# Altium PCB Cell_121.PcbDoc (part 2 of 3)
Units mm, origin at the board's own origin, x right, y up, seen from the top; angles counter-clockwise.
Board outline 240 x 140.7 mm, 2 copper layers (Top Layer, Bottom Layer); 104 components, 188 nets, 1002 pads, 411 vias.
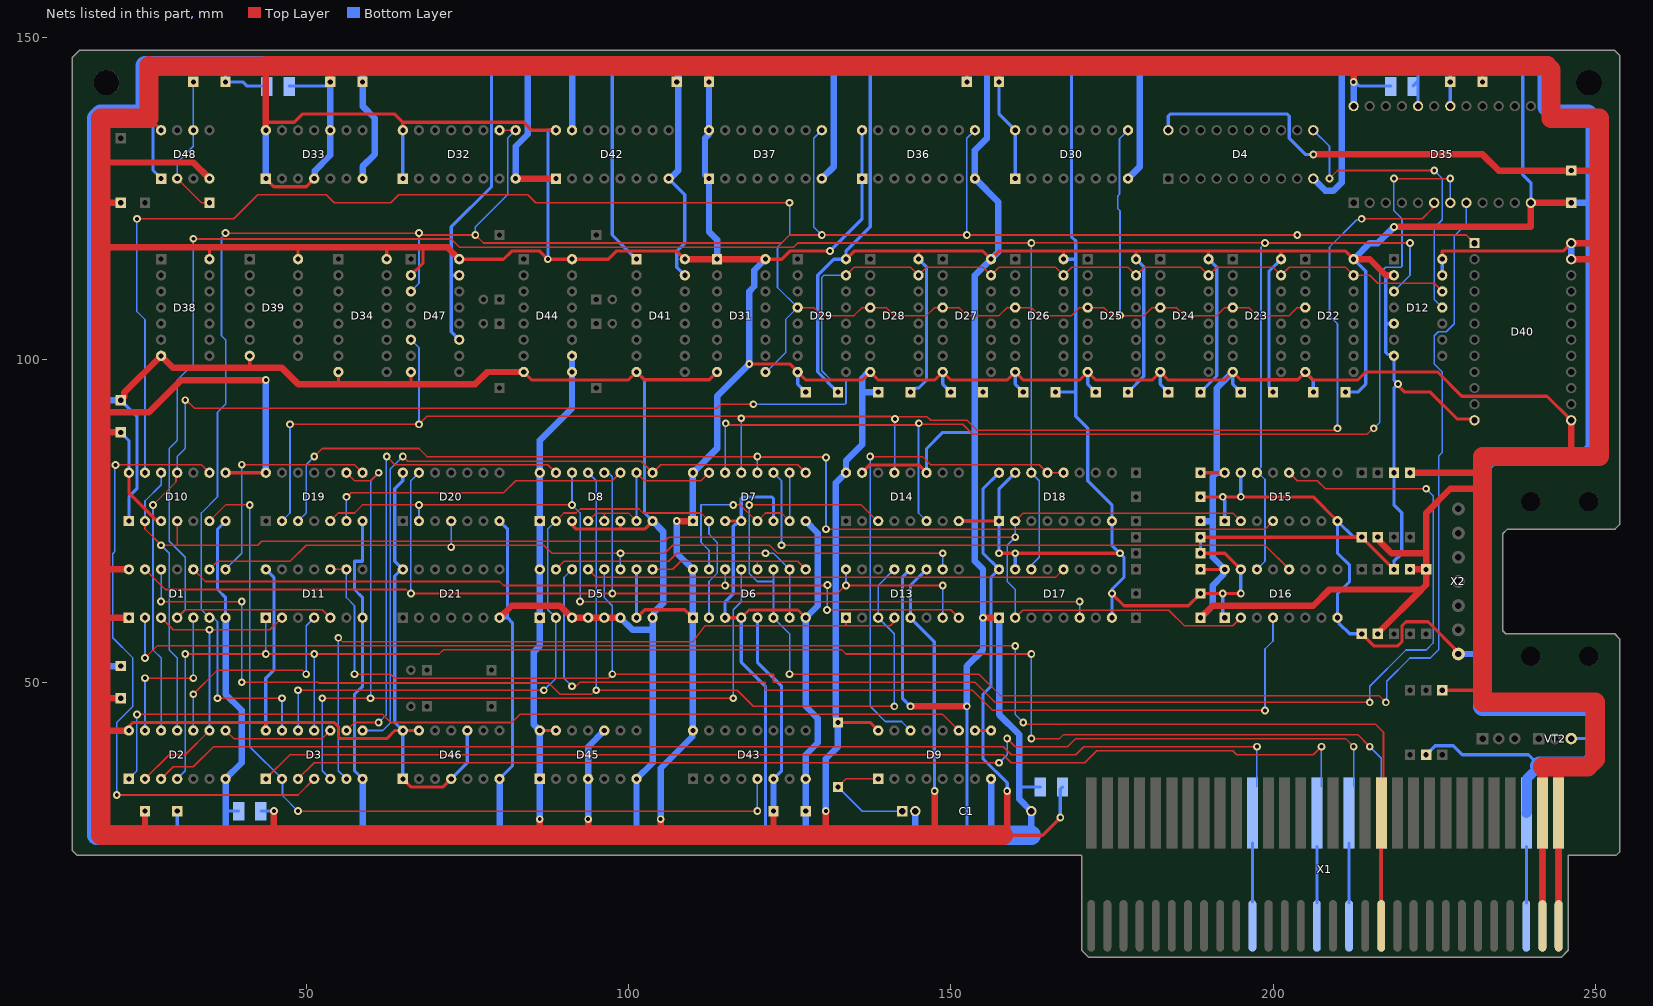
[diagram p2: the nets of this part, all layers, seen from the top]

## Via types
v1: diameter 1.2, hole 0.6, Top Layer to Bottom Layer, 411 vias

## Nets (pads, with @x,y where several pads share a name; then routed paths per layer and width w, separated by ;. In a path a pad name is that pad's centre, name@x,y a point inside that pad or via, vN(x,y) a via of type N, cw(c..) or ccw(c..) an arc to the next point about the centre after c; other vN are vias at no path point) (continued)
E1: C3.1 C4.2 C5.2 C6.2 C7.1 C8.2 C9.1 C10.2 C11.2 C12.2 C13.2 C14.2 C15.2 C16.2 C17.2 C18.2 C19.2 C20.1 C21.1 C22.1 C23.1 D1.1 D1.14 D2.14 D3.14 D4.20 D5.1 D5.7 D5.10 D5.16 D6.1 D6.5 D6.16 D7.1 D7.16 D8.1 D8.16 D9.9 D9.10 D9.16 D10.3 D10.8 D10.14 D11.14 D12.13 D12.14 D13.5 D13.11 D14.16 D15.16 D16.16 D17.16 D18.16 D19.14 D20.14 D21.14 D22.8 D23.8 D24.8 D25.8 D26.8 D27.8 D28.8 D29.8 D30.1 D30.16 D31.1 D31.16 D32.1 D32.16 D33.1 D33.4 D33.10 D33.14 D34.16 D35.24 D36.1 D36.16 D37.1 D37.16 D38.14 D39.14 D40.13 D40.23 D40.24 D41.16 D42.16 D43.6 D43.16 D44.9 D44.10 D44.16 D45.1 D45.4 D45.10 D45.13 D45.14 D46.1 D46.4 D46.10 D46.13 D46.14 D47.2 D47.16 D48.4 D48.8 R1.2 R2.2 R3.1 R4.2 R5.1 R6.2 R7.2 R8.2 R9.2 R22.2 R27.2 R29.2 X1.B29 X1.B30 | length 2145.6
  Top Layer w0.254: 232.498,145.031 232.5,145.029
  Top Layer w0.5: 18.125,66.875 18.75,67.5 ; D2.14@22.5,42.5 22.5,43.125 23.125,43.75 43.75,43.75 ; D10.14@22.5,82.5 22.5,79.375 26.665,75.21 27.29,75.21 D10.3@27.5,75 ; 25.625,137.5 D48.8@27.5,135.625 ; D38.14@35,115.625 35,117.5 ; D10.8@37.5,82.5 D19.14@43.75,82.5 ; D3.14@43.75,42.5 43.75,43.75 ; D33.1@43.75,128.125 45,126.875 50,126.875 D33.4@51.25,128.125 ; 43.75,136.875 48.125,136.875 49.375,138.125 63.75,138.125 65,136.875 ; 43.75,145.573 43.75,145.625 ; D39.14@48.75,115.624 48.75,117.5 ; 53.75,145.375 54,145.625 ; D34.16@62.5,115.625 62.5,117.5 ; D46.1@65,35 65.55,34.45 66.25,33.75 71.25,33.75 D46.4@72.5,35 ; D32.16@65,135.625 65,136.875 ; D47.2@66.25,113.125 68.125,115 68.125,117.5 ; D46.13@67.5,42.5 D46.14@65,42.5 63.75,42.5 62.5,41.25 55.293,41.25 55,41.543 55,43.125 54.375,43.75 43.75,43.75 ; 72.5,116.861 72.5,116.875 ; D47.16@73.743,115.617 80.618,115.617 81.875,116.875 86.25,116.875 v1(87.5,115.625) D44.16@91.25,115.625 ; D45.14@86.25,42.5 D45.13@88.75,42.5 ; D42.16@88.75,135.625 85,135.625 83.75,136.875 65,136.875 ; D44.16@91.244,115.617 96.867,115.617 98.125,116.875 107.486,116.875 D41.16@108.744,115.617 ; D5.7@101.25,60 102.5,61.25 108.75,61.25 D6.1@110,60 ; 112.5,145.427 112.5,145.625 ; v1(118.75,99.375) 125,99.375 D29.8@126.25,98.125 127.5,96.875 136.25,96.875 D28.8@137.5,98.125 138.75,96.875 147.5,96.875 D27.8@148.75,98.125 150,96.875 158.75,96.875 D26.8@159.687,97.812 ; D31.16@121.25,115.625 123.75,115.625 125,116.875 v1(131.25,116.875) ; R1.2@132.5,43.75 137.5,43.75 D9.16@138.75,42.5 ; D9.10@153.75,42.5 D9.9@156.25,42.5 ; C5.2@157.5,143.125 157.5,145.496 157.5,145.625 ; 158.75,26.875 158.125,26.25 164.25,26.25 v1(167,29) ; D26.8@160.003,98.128 161.256,96.875 170,96.875 171.25,98.125 172.5,96.875 181.25,96.875 D24.8@182.503,98.128 183.756,96.875 192.5,96.875 D23.8@193.75,98.125 194.95,96.925 203.801,96.925 D22.8@205,98.124 206.249,96.875 213.125,96.875 214.375,98.125 225.548,98.125 229.298,94.375 230,94.375 242.5,94.375 D40.13@246.25,90.625 ; R7.2@188.75,67.5 D16.16@192.5,67.5 ; R9.2@188.75,82.5 D15.16@192.5,82.5 ; 223.026,64.375 223.075,64.425 ; R22.2@226.25,48.75 232.5,48.75 ; D12.14@226.25,115.625 226.25,116.875 245,116.875 D40.24@246.25,118.125 ; C6.2@232.5,143.125 232.5,145.029
  Top Layer w1: 18.125,42.5 D2.14@22.5,42.5 ; 18.125,47.5 C9.1@21.25,47.5 ; 18.125,60 D1.1@22.5,60 ; 18.125,88.75 C7.1@21.25,88.75 ; 18.125,91.875 25.625,91.875 30.625,96.875 v1(43.75,96.875) ; 18.125,117.5 35,117.5 48.75,117.5 62.5,117.5 68.125,117.5 71.875,117.5 72.5,116.875 ; 18.125,124.375 R27.2@21.25,124.375 ; 18.125,130.625 32.5,130.625 D48.4@35,128.125 ; 18.75,67.5 D1.14@22.5,67.5 ; 25,26.25 C10.2@25,30 ; D33.14@43.75,135.625 43.75,136.875 43.75,145.573 ; 45,26.25 v1(45,30) ; C3.1@53.75,143.125 53.75,145.375 ; 72.5,116.861 D47.16@73.743,115.617 ; 86.25,26.25 v1(86.25,28.75) ; 93.75,26.25 v1(93.75,28.75) ; 105,26.25 v1(105,28.75) ; v1(107.5,75) D7.1@110,75 ; D41.16@108.744,115.617 D31.1@113.744,115.617 ; C4.2@112.5,143.125 112.5,145.427 ; D31.1@113.75,115.625 D31.16@121.25,115.625 ; 122.5,26.25 C11.2@122.5,30 ; 130.625,26.25 v1(130.625,30) ; 147.5,26.875 v1(147.5,33.125) ; 158.75,26.875 v1(158.75,33.125) ; R6.2@188.75,60 190.625,61.875 206.25,61.875 208.75,64.375 223.026,64.375 216.55,57.899 216.55,57.8 216.349,57.599 R5.1@216.25,57.599 ; v1(206.25,131.875) 232.5,131.875 235,129.375 250.625,129.375 ; v1(212.5,143.125) 212.5,145.625 ; R3.1@216.25,72.5 216.55,72.2 216.55,71.832 218.382,70 223.75,70 ; R4.2@221.25,67.5 R29.2@223.75,67.5 ; R2.2@221.25,82.5 232.5,82.5 ; 223.075,64.425 223.75,65.099 R29.2@223.75,67.5 ; 232.5,80 227.5,80 223.75,76.25 223.75,70 ; X1.B30@244.3,29.7 X1.B30@244.375,29.775 ; 246.25,85 D40.13@246.25,90.625 ; D40.23@246.25,115.625 250.625,115.625 ; D40.24@246.25,118.125 250.625,118.125 ; R29.2@223.75,67.5 223.75,70
  Top Layer w1.5: X1.B29@241.8,29.7 241.8,36.875 ; X1.B30@244.298,29.702 244.298,36.875
  Top Layer w2: 112.302,145.625 112.5,145.427 ; 157.371,145.625 157.5,145.496 ; 242.5,145.625 243.125,145 ; 250.625,115.625 250.625,116.25
  Top Layer w3: 43.75,145.573 25.625,145.625 25.625,137.5 18.125,137.5 18.125,130.625 18.125,124.375 18.125,117.5 18.125,91.875 18.125,88.75 18.125,66.875 18.125,60 18.125,47.5 18.125,42.5 18.125,26.25 25,26.25 45,26.25 86.25,26.25 93.75,26.25 105,26.25 122.5,26.25 130.625,26.25 158.125,26.25 ; 43.75,145.625 54,145.625 112.302,145.625 ; 112.5,145.625 157.371,145.625 ; 157.5,145.625 212.5,145.625 242.5,145.625 ; 241.8,36.875 244.298,36.875 248.828,36.875 250,38.047 250,46.875 232.5,46.875 232.5,48.75 232.5,80 232.5,82.5 232.5,85 246.25,85 250.625,85 250.625,115.625 250.625,118.125 250.625,129.375 250.625,137.5 243.125,137.5 243.125,145
  Bottom Layer w0.5: C7.1@21.25,88.75 22.5,87.5 D10.14@22.5,82.5 ; C22.1@42.975,30 v1(45,30) ; D3.14@43.75,42.5 43.75,50.625 45,51.875 45,66.25 D11.14@43.75,67.5 ; C21.1@47.35,142.5 53.125,142.5 C3.1@53.75,143.125 ; D46.1@65,35 D46.14@65,42.5 63.75,43.75 63.75,66.468 64.782,67.5 D21.14@65,67.5 63.75,68.75 63.75,80 65,81.25 D20.14@65,82.5 ; D32.1@65,128.125 D32.16@65,135.625 ; D46.4@72.5,35 75,37.5 D46.10@75,42.5 ; v1(87.5,115.625) 87.5,135.625 D42.16@88.75,135.625 ; D5.7@101.25,60 D5.10@101.25,67.5 ; D37.1@111.875,128.75 D37.1@112.5,128.125 ; D37.16@112.5,135 D37.16@112.5,135.625 ; D6.5@120,60 120,53.125 123.75,49.375 123.75,36.25 D43.6@122.5,35 ; D29.8@126.25,98.125 126.25,96.25 C12.2@127.5,95 ; v1(131.25,116.875) 136.25,121.875 D36.16@136.25,135.625 ; D28.8@137.202,98.125 D28.8@137.5,98.125 ; D13.11@146.25,67.5 143.75,65 D13.5@143.75,60 147.45,56.3 147.45,42.997 v1(147.5,33.125) ; D27.8@148.75,98.125 148.75,96.25 C14.2@150,95 ; D9.9@156.25,42.5 155,42.5 ; D18.16@157.5,82.5 155,80 155,70 D17.16@157.5,67.5 156.25,66.25 156.25,49.375 155,48.125 155,42.5 ; C5.2@157.5,143.125 157.5,138.125 D30.16@160,135.625 D30.1@160,128.125 ; v1(158.75,33.125) 158.75,34.375 155,38.125 155,42.5 ; D26.8@160.003,98.128 160.003,96.247 C15.2@161.25,95 ; v1(167,29) 167,33.4 C23.1@167.35,33.75 ; D25.8@171.247,98.121 171.247,96.253 C16.2@172.5,95 ; D24.8@182.503,98.128 182.503,96.247 C17.2@183.75,95 ; D4.20@183.75,135.625 183.75,137.832 184.043,138.125 202.207,138.125 202.5,137.832 202.5,134.375 205,131.875 v1(206.25,131.875) ; D16.16@192.29,67.29 D16.16@192.5,67.5 ; D23.8@193.75,98.125 193.75,96.25 C18.2@195,95 ; D22.8@205,98.124 206.25,96.874 C19.2@206.25,95 ; v1(212.5,143.125) 212.689,143.125 213.314,142.5 C20.1@218.275,142.5 ; D12.13@226.243,113.117 D12.14@226.243,115.617
  Bottom Layer w1: D19.14@43.75,82.5 v1(43.75,96.875) ; D33.1@43.75,128.125 D33.14@43.75,135.625 ; D33.4@51.25,128.125 51.314,128.189 51.314,129.314 53.75,131.75 D33.10@53.75,135.625 C3.1@53.75,143.125 ; v1(86.25,28.75) D45.1@86.25,35 D45.14@86.25,42.5 85.313,43.437 85.313,54.688 86.25,55.625 D5.1@86.25,60 D5.16@86.25,67.5 D8.1@86.25,75 D8.16@86.25,82.5 86.25,87.5 91.244,92.493 D44.10@91.244,100.625 ; v1(93.75,28.75) D45.4@93.75,35 93.75,40 D45.10@96.25,42.5 ; v1(105,28.75) 105,36.662 109.885,41.547 109.885,42.385 D43.16@110,42.5 D6.16@110,67.5 107.5,70 v1(107.5,75) ; D7.1@110,75 D7.16@110,82.5 113.75,86.25 113.75,94.375 v1(118.75,99.375) 118.75,110.625 119.532,111.407 119.532,113.906 D31.16@121.244,115.617 ; D37.1@111.875,128.75 111.875,134.375 D37.16@112.5,135 ; D37.1@112.5,128.125 112.5,119.887 113.75,118.637 D31.1@113.75,115.625 ; D37.16@112.5,135.625 C4.2@112.5,143.125 ; C11.2@122.5,30 D43.6@122.5,35 ; v1(130.625,30) 130.625,38.125 132.5,40 R1.2@132.5,43.75 132.2,44.05 132.2,44.623 132.187,44.636 132.187,80.937 D14.16@133.75,82.5 133.75,84.375 136.25,86.875 136.25,95 ; D28.8@137.202,98.125 136.25,97.173 136.25,95 ; C13.2@138.75,95 136.25,95 ; R6.2@188.75,60 190.625,61.875 190.625,65 192.29,66.665 D16.16@192.29,67.29 ; R8.2@188.75,75 190.625,75 ; D16.16@192.5,67.5 190.625,69.375 190.625,75 ; D15.16@192.5,82.5 191.25,82.5 ; D23.8@193.75,98.125 191.25,95.625 191.25,82.5 ; D35.24@212.5,139.375 v1(212.5,143.125) ; D40.23@246.244,115.617 D40.24@246.244,118.117 ; 190.625,75 190.625,81.875 191.25,82.5
GND: C1.2 C2.2 C3.2 C4.1 C5.1 C6.1 C7.2 C8.1 C9.2 C10.1 C11.1 C12.1 C13.1 C14.1 C15.1 C16.1 C17.1 C18.1 C19.1 C20.2 C21.2 C22.2 C23.2 D1.7 D2.7 D3.7 D4.10 D5.3 D5.4 D5.5 D5.6 D5.8 D6.3 D6.4 D6.8 D7.3 D7.4 D7.6 D7.8 D8.3 D8.6 D8.8 D9.8 D10.1 D10.7 D11.7 D12.2 D12.5 D12.7 D13.12 D14.8 D14.11 D14.15 D15.1 D15.8 D15.15 D16.1 D16.8 D16.15 D17.1 D17.8 D17.15 D18.1 D18.8 D18.15 D19.7 D20.7 D21.7 D22.16 D23.16 D24.16 D25.16 D26.16 D27.16 D28.16 D29.16 D30.8 D31.8 D32.8 D33.7 D34.8 D35.12 D35.18 D35.20 D36.8 D37.8 D38.7 D39.7 D40.12 D41.1 D41.8 D41.15 D42.1 D42.8 D42.15 D43.8 D44.8 D45.7 D46.7 D47.8 D47.11 D47.15 D48.1 R10.2 R11.1 R12.2 R13.1 R14.2 R15.2 R16.2 R17.2 R23.1 VT2.E X1.A28 X1.A29 X1.A30 X2.2 | length 2413.5
  Top Layer w0.5: C7.2@21.25,93.75 C7.2@21.8,94.3 ; D39.7@41.244,100.617 41.244,98.756 41.25,98.75 ; 55,96.25 D34.8@55,98.125 ; 66.25,96.25 D47.8@66.25,98.125 ; D44.8@83.75,98.125 85,96.875 100,96.875 D41.8@101.25,98.125 102.45,96.925 112.55,96.925 D31.8@113.75,98.125 ; D8.3@91.25,75 91.25,74.375 91.875,73.75 98.75,73.75 ; D8.6@98.75,75 98.75,73.75 ; D8.8@103.75,75 102.5,73.75 98.75,73.75 ; D6.3@115,60 D6.4@117.5,60 118.7,61.2 126.3,61.2 D6.8@127.5,60 ; D7.3@115,75 D7.4@117.5,75 ; D29.16@133.744,115.617 135.001,116.875 145,116.875 ; D14.15@136.25,82.5 137.45,83.7 145.05,83.7 D14.11@146.25,82.5 ; D28.16@145,115.624 145,116.875 ; D14.8@151.25,75 D18.1@157.5,75 ; D27.16@156.244,115.617 D27.16@156.25,115.624 ; v1(157.5,70) v1(160,70) v1(176.25,70) ; D26.16@167.5,115.624 167.5,116.875 ; v1(175,63.75) 176.875,61.875 186.875,61.875 R14.2@188.75,63.75 v1(192.2,63.75) ; R15.2@188.75,70 192.5,70 D16.15@195,67.5 ; R16.2@188.75,72.5 R11.1@213.75,72.5 R12.2@218.75,67.5 ; R17.2@188.75,78.75 v1(192.2,78.75) v1(195,78.75) 206.25,78.75 D15.8@210,75 ; v1@192.35,63.9 192.5,63.75 v1(195,63.75) ; D23.16@201.25,115.624 201.244,115.617 201.244,116.868 201.25,116.875 ; D22.16@212.5,115.624 211.249,116.875 201.25,116.875 ; R13.1@213.75,57.5 215.625,55.625 219.375,55.625 220,56.25 220,58.75 220.625,59.375 224.041,59.375 228.75,54.666 X2.2@228.75,54.375 ; D12.2@218.736,113.125 D12.2@218.744,113.117 ; v1(219.375,96.25) 219.375,96.061 220.436,95 224.375,95 228.54,90.835 231.04,90.835 D40.12@231.25,90.625 ; 145,116.875 155,116.875 D27.16@156.25,115.625 ; D27.16@156.25,115.625 157.5,116.875 167.5,116.875 ; 167.5,116.875 178.75,116.875 ; 178.75,116.875 190,116.875 ; 178.75,116.875 178.75,115.624 D25.16@178.747,115.621 178.744,115.617 178.744,116.868 178.75,116.875 ; 190,116.875 190,115.624 189.994,115.617 189.994,116.868 190,116.875 ; 190,116.875 201.25,116.875
  Top Layer w1: C7.2@21.8,94.3 21.8,94.925 D38.7@27.5,100.625 ; D38.7@27.5,100.611 29.361,98.75 41.25,98.75 46.25,98.75 48.75,96.25 55,96.25 66.25,96.25 76.25,96.25 78.125,98.125 D44.8@83.75,98.125 ; D21.7@80,60 81.875,61.875 89.375,61.875 D5.3@91.25,60 D5.6@98.75,60 ; D32.8@82.5,128.125 D42.1@88.75,128.125 ; v1(143.75,46.25) v1(152.5,46.25) ; v1(155,60) D17.1@157.5,60 ; D22.16@212.5,115.624 215.001,115.624 217.5,113.125 D12.2@218.736,113.125 ; v1(218.75,120.625) 240,120.625 D35.12@240,124.375 C8.1@246.25,124.375
  Bottom Layer w0.25: 144.375,26.25 144.5,26.375
  Bottom Layer w0.5: 17.5,52.5 18.125,52.5 ; C7.2@21.25,93.75 21.8,93.2 23.75,91.25 23.75,80 22.5,78.75 D10.1@22.5,75 ; 25,138.125 26.25,136.875 26.25,129.375 D48.1@27.5,128.125 ; 30,26.25 C10.1@30,30 ; 37.5,30 C22.2@39.525,30 ; D1.7@37.5,60 37.5,63.125 36.25,64.375 36.25,73.75 D10.7@37.5,75 ; 37.5,145.625 C2.2@37.5,143.125 40.15,143.125 40.775,142.5 C21.2@43.9,142.5 ; D3.7@58.75,35 57.5,36.25 57.5,48.125 58.75,49.375 58.75,63.125 57.5,64.375 57.5,68.75 58.75,68.75 D19.7@58.75,75 ; D47.11@73.743,103.117 72.5,104.361 72.5,113.125 ; D47.15@73.75,113.125 72.5,113.125 ; 78.75,145.625 78.75,126.875 72.5,120.625 72.5,113.125 ; D46.7@80,35 81.999,36.999 81.999,59.251 81.25,60 ; D21.7@80,60 81.25,60 ; D20.7@80,75 81.25,73.75 81.25,60 ; 97.5,145.625 97.5,119.374 99.368,117.506 99.368,117.493 100.686,116.175 100.7,116.175 101.236,115.639 D41.1@101.236,115.625 ; D41.8@101.25,98.125 102.5,96.875 102.5,76.25 D8.8@103.75,75 ; D5.8@103.75,60 D5.8@103.96,60.21 ; D42.8@106.25,128.125 108.75,125.625 108.75,118.125 107.5,116.875 107.5,114.361 D41.15@108.744,113.117 ; D6.3@115,60 115,62.5 116.25,63.75 116.25,74.179 116.543,74.472 116.675,74.472 117.202,75 D7.4@117.5,75 117.5,78.457 117.793,78.75 122.207,78.75 122.5,78.457 D7.6@122.5,75 ; D6.4@117.5,60 117.5,53.125 121.25,49.375 121.25,26.25 ; C12.1@132.5,95 129.375,98.125 129.375,113.125 131.875,115.625 D29.16@133.744,115.625 ; D29.16@133.75,115.625 D29.16@133.744,115.625 ; 137.5,145.625 137.5,120.625 133.744,116.868 D29.16@133.744,115.625 ; v1(143.75,46.25) 142.5,47.5 142.5,66.25 D13.12@143.75,67.5 ; C13.1@143.75,95 144.3,95.55 144.518,95.55 144.593,95.625 145,95.625 146.25,96.875 146.25,114.375 D28.16@145,115.625 ; D14.11@146.25,82.5 146.25,86.25 148.75,88.75 153.75,88.75 ; D14.8@151.25,75 153.75,75 ; 152.5,26.25 v1(152.5,46.25) ; C5.1@152.5,143.125 152.5,145.625 ; 153.75,95 C14.1@155,95 ; v1(157.5,70) 157.5,80 D18.15@160,82.5 ; D17.15@160,67.5 v1(160,70) ; 160.625,33.75 C23.2@163.9,33.75 ; C15.1@166.25,95 169.375,95 ; D26.16@167.501,115.625 167.494,115.617 169.368,115.617 169.375,115.625 169.375,118.457 169.082,118.75 169.043,118.75 168.75,119.043 168.75,145.625 ; 169.375,115.617 169.375,95 ; D17.8@175,60 v1(175,63.75) 175,64.375 176.875,66.25 176.875,69.375 175,71.25 D18.8@175,75 175.017,75.017 175.017,76.892 175,76.909 175,77.5 171.25,81.25 171.25,89.375 169.375,91.25 169.375,95 ; C16.1@177.5,95 179.947,97.447 179.947,114.421 D25.16@178.747,115.621 ; R15.2@188.75,70 R16.2@188.75,72.5 ; C17.1@188.75,95 191.25,97.5 191.25,114.381 D24.16@190.003,115.628 ; D16.1@192.2,60.55 v1(192.2,63.75) ; v1(192.2,78.75) 192.2,78.561 192.5,78.261 D15.1@192.5,75 ; v1(195,63.75) D16.15@195,67.5 ; v1(195,78.75) D15.15@195,82.5 ; C18.1@200,95 199.45,95.55 199.45,95.768 199.375,95.843 199.375,113.75 D23.16@201.25,115.625 ; C19.1@211.25,95 213.125,95 214.375,96.25 214.375,113.749 D22.16@212.5,115.624 ; R13.1@213.75,57.5 211.875,57.5 210.21,59.165 210.21,59.79 D16.8@210,60 210,63.75 211.875,65.625 211.875,68.125 210,70 D15.8@210,75 212.5,72.5 R11.1@213.75,72.5 ; D12.7@218.743,100.618 218.526,100.835 217.817,100.835 217.5,101.153 217.5,105.617 ; D12.5@218.744,105.617 217.5,105.617 ; D12.2@218.744,113.117 218.541,112.915 217.817,112.915 217.5,112.597 217.5,105.617 ; R12.2@218.75,67.5 218.757,67.507 218.757,68.757 219.95,69.95 219.95,76.3 218.75,77.5 218.75,95.607 219.375,96.232 v1(219.375,96.25) 219.375,96.268 218.75,96.893 D12.7@218.75,100.625 ; C20.2@221.725,142.5 222.35,143.125 C20.2@222.5,143.125 ; D35.20@222.5,139.375 C20.2@222.5,143.125 ; 222.5,145.625 C20.2@222.5,143.125 ; R23.1@223.75,38.75 225.151,40.151 227.974,40.151 229.375,38.75 239.625,38.75 241.375,37 ; D35.18@227.5,139.375 C6.1@227.5,143.125 227.5,145.625 ; 238.75,145.625 238.75,128.75 239.375,128.125 240,127.5 D35.12@240,124.375 ; VT2.E@246.25,41.25 250,41.25
  Bottom Layer w1: 17.5,93.75 C7.2@21.25,93.75 ; 18.125,52.5 C9.2@21.25,52.5 ; 37.5,26.25 37.5,30 D2.7@37.5,35 40,37.5 40,45.625 37.5,48.125 D1.7@37.5,60 ; 58.75,26.25 D3.7@58.75,35 ; D33.7@58.75,128.125 58.75,130 60.625,131.875 60.625,137.5 58.75,139.375 58.75,145.625 ; 80,26.25 D46.7@80,35 ; D32.8@82.5,128.125 82.5,133.125 84.375,135 84.375,145 ; D42.15@91.25,135.625 91.25,145.625 ; D5.6@98.75,60 100.625,58.125 103.75,58.125 ; 101.25,26.25 D45.7@101.25,35 103.75,37.5 103.75,58.125 ; D5.8@103.75,60 103.75,58.125 ; D8.8@103.75,75 105.371,73.379 105.371,62.246 103.96,60.835 D5.8@103.96,60.21 ; D42.8@106.25,128.125 106.412,128.125 106.712,128.425 106.77,128.425 107.758,129.413 107.758,142.867 C4.1@107.5,143.125 107.758,143.383 107.758,145.625 ; 127.5,26.25 D43.8@127.5,35 127.5,38.75 129.375,40.625 129.375,44.375 127.5,46.25 D6.8@127.5,60 129.375,61.875 129.375,73.125 D7.8@127.5,75 ; D37.8@130,128.125 131.875,130 131.875,145.625 ; 144.5,26.375 C1.2@144.5,30 ; v1(152.5,46.25) 152.5,52.5 155,55 v1(155,60) 155,67.5 153.75,68.75 153.75,75 153.75,88.75 153.75,95 153.75,113.125 D27.16@156.25,115.625 157.398,116.773 157.398,124.477 D36.8@153.75,128.125 153.75,132.5 155.625,134.375 155.625,145.625 ; 156.25,26.25 D9.8@156.25,35 ; D17.1@157.5,60 157.5,45 160.625,41.875 160.625,33.75 160.625,31.875 C1.2@162.5,30 162.5,26.25 ; D30.8@177.5,128.125 179.296,129.921 179.296,145.625 ; D4.10@206.25,128.125 208.125,126.25 209.375,126.25 210.625,127.5 210.625,145.625 ; D22.16@212.5,115.624 215.001,118.125 216.25,118.125 v1(218.75,120.625) ; X2.2@228.75,54.375 232.5,54.375 ; C8.1@246.25,124.375 250,124.375
  Bottom Layer w1.5: X1.A28@239.291,29.709 239.4,29.818 239.4,35.025 241.375,37 ; X1.A29@241.842,29.742 241.842,37 ; X1.A30@244.293,33.724 244.293,37
  Bottom Layer w3: 162.5,26.25 156.25,26.25 152.5,26.25 144.375,26.25 127.5,26.25 121.25,26.25 101.25,26.25 80,26.25 58.75,26.25 37.5,26.25 30,26.25 17.5,26.25 17.5,52.5 17.5,93.75 17.5,137.5 18.125,138.125 25,138.125 25,145.625 37.5,145.625 58.75,145.625 78.75,145.625 91.25,145.625 97.5,145.625 107.758,145.625 131.875,145.625 137.5,145.625 152.5,145.625 155.625,145.625 168.75,145.625 179.296,145.625 210.625,145.625 222.5,145.625 227.5,145.625 238.75,145.625 242.5,145.625 242.5,139.297 243.672,138.125 248.828,138.125 250,136.953 250,124.375 250,86.172 248.828,85 233.672,85 232.5,83.828 232.5,54.375 232.5,46.25 250,46.25 250,41.25 250,38.172 248.828,37 244.293,37 241.842,37 241.375,37
NetC1_1: C1.1 D9.1 R1.1 | length 18.3
  Top Layer w0.25: R1.1@132.5,33.75 133.75,35 D9.1@138.75,35
  Bottom Layer w0.25: R1.1@132.5,33.75 133.175,33.075 136.25,30 C1.1@142.5,30
NetC2_1: C2.1 D48.2 D48.6 R28.2 | length 22.6
  Top Layer w0.25: D48.2@30,128.125 33.75,124.375 R28.2@35,124.375
  Bottom Layer w0.25: D48.2@30,128.125 30,130.625 32.5,133.125 D48.6@32.5,135.625 C2.1@32.5,143.125
NetD1_2: D1.2 X1.B19 | length 223.5
  Top Layer w0.25: v1(25,53.75) 26.875,55.625 56.25,55.625 v1(160,55.625) ; v1(161.25,43.75) 161.507,43.75 161.773,43.484 215.891,43.484 217.133,42.242 217.133,30.033 X1.B19@216.8,29.7
  Bottom Layer w0.25: v1(25,53.75) D1.2@25,60 ; v1@160,55.479 160,45 v1(161.25,43.75)
NetD1_3: D1.3 D2.2 D2.9 D11.2 | length 49
  Top Layer w0.25: D2.2@25,35 28.75,38.75 31.25,38.75 D2.9@35,42.5 ; D1.3@27.5,60 29.375,58.125 v1(35,58.125) 44.375,58.125 D11.2@46.25,60
  Bottom Layer w0.25: D2.9@35,42.5 v1(35,58.125)
NetD1_4: D1.4 D11.5 D12.3 D15.14 D16.14 D17.14 D18.14 | length 388.7
  Top Layer w0.25: D1.4@30,60 31.25,61.25 52.5,61.25 D11.5@53.75,60 ; v1(32.5,118.8) 32.55,118.75 72.5,118.75 73.75,117.5 125.625,117.5 126.25,118.125 v1(162.5,118.125) 162.536,118.161 198.714,118.161 v1(198.75,118.125) v1(221.25,118.125)
  Bottom Layer w0.25: D1.4@30,60 31.25,61.25 31.25,69.375 28.75,71.875 28.75,86.25 30,87.5 30,96.875 32.5,99.375 v1(32.5,118.8) ; D17.14@162.5,67.5 162.5,68.125 163.75,69.375 163.75,81.25 D18.14@162.5,82.5 v1(162.5,118.125) ; D16.14@197.5,67.5 198.75,68.75 198.75,81.446 197.5,82.696 198.125,83.321 198.125,117.5 v1(198.75,118.125) ; D12.3@218.744,110.617 221.25,113.124 v1(221.25,118.125)
NetD1_5: D1.5 D2.13 | length 25
  Top Layer w0.25: v1(25,50.625) v1(32.5,50.625)
  Bottom Layer w0.25: D2.13@25,42.5 v1(25,50.625) ; v1(32.5,50.625) D1.5@32.5,60
NetD1_6: D1.6 D3.13 D32.9 D32.10 D36.9 D37.9 D40.1 D47.3 | length 352.2
  Top Layer w0.25: v1(36.25,47.5) v1(46.25,47.5) ; v1(37.5,119.675) 67.2,119.675 v1@67.5,119.375 ; v1(67.5,119.675) v1@67.5,119.375 ; D32.10@80,135.625 D32.9@82.5,135.625 ; D40.1@231.243,118.118 229.986,119.375 v1(203.75,119.375) 193.75,119.375 v1(152.5,119.375) v1(130,119.375) 125,119.375 123.75,118.125 77.5,118.125 v1(76.25,119.375) v1@67.5,119.375
  Bottom Layer w0.25: v1(36.25,47.5) 36.25,59.375 35,60.625 D1.6@35,60 33.75,61.25 33.75,76.25 36.25,78.75 36.25,91.875 37.5,93.125 37.5,103.125 36.875,103.75 36.875,118.921 37.5,119.546 v1(37.5,119.675) ; D3.13@46.25,42.5 v1(46.25,47.5) ; D47.3@66.244,110.617 67.5,111.874 v1(67.5,119.675) ; v1(76.25,119.375) 76.25,120.625 81.25,125.625 81.25,134.375 D32.9@82.5,135.625 ; v1(130,119.375) 128.75,120.625 128.75,134.375 D37.9@130,135.625 ; v1(152.5,119.375) 152.5,134.375 D36.9@153.75,135.625
NetD1_8: D1.8 D19.8 | length 36.6
  Top Layer w0.25: v1(40,83.75) 57.5,83.75 D19.8@58.75,82.5
  Bottom Layer w0.25: D1.8@37.5,67.5 40,70 v1(40,83.75)
NetD1_9: D1.9 D5.11 D13.10 D20.4 | length 126.2
  Top Layer w0.25: D1.9@35,67.5 36.25,68.75 47.5,68.75 50,71.25 v1@72.5,71.25 ; v1(72.5,70.95) v1@72.5,71.25 ; v1(148.75,70) 123.125,70 121.875,71.25 106.875,71.25 105.625,70 v1(98.75,70) 88.125,70 86.875,71.25 v1@72.5,71.25
  Bottom Layer w0.25: v1(72.5,70.95) D20.4@72.5,75 ; D5.11@98.75,67.5 v1(98.75,70) ; D13.10@148.75,67.5 v1(148.75,70)
NetD1_10: D1.10 D6.14 D13.8 | length 126.9
  Top Layer w0.25: D1.10@32.5,67.5 34.375,65.625 80,65.625 80.625,65 v1(115,65) 130.791,65 v1(130.876,65.084) ; v1(130.799,61.184) 130.866,61.25 150,61.25 D13.8@151.25,60
  Bottom Layer w0.25: v1(115,65) D6.14@115,67.5 ; v1(130.799,61.184) 130.837,61.222 130.837,65.046 v1(130.876,65.084)
NetD1_12: D1.12 D8.13 D13.3 D13.13 | length 190.9
  Top Layer w0.25: v1(27.5,62.5) v1(40,62.5) ; v1(40,50) 51.875,50 51.993,49.882 87.618,49.882 89.375,48.125 94.281,48.125 94.906,48.75 116.875,48.75 119.375,46.25 v1(141.25,46.25)
  Bottom Layer w0.25: v1(27.5,62.5) D1.12@27.5,67.5 ; v1(40,50) v1(40,62.5) ; D8.13@93.75,82.5 95,81.25 v1(95,48.75) ; v1(141.25,46.25) 141.25,57.5 D13.3@138.75,60 138.75,65 D13.13@141.25,67.5
NetD1_13: D1.13 D8.12 D13.7 D13.16 D20.13 | length 172.2
  Top Layer w0.25: D1.13@25,67.5 28.125,64.375 65.496,64.375 66.121,63.75 v1(66.25,63.75) v1(97.5,63.75) 132.371,63.75 133.621,65 v1(133.75,65) v1(148.75,65)
  Bottom Layer w0.25: v1(66.25,63.75) 66.25,81.25 D20.13@67.5,82.5 ; D8.12@96.25,82.5 96.508,82.242 97.133,82.242 97.5,81.875 v1(97.5,63.75) ; v1(133.75,65) D13.16@133.75,67.5 ; D13.7@148.75,60 v1(148.75,65)
NetD2_1: D2.1 D9.11 | length 140.1
  Top Layer w0.25: v1(23.75,45) 61.875,45 63.125,43.75 81.875,43.75 83.125,45 148.75,45 D9.11@151.25,42.5
  Bottom Layer w0.25: D2.1@22.5,35 23.75,36.25 v1(23.75,45)
NetD2_3: D2.3 X1.A11 | length 179.4
  Top Layer w0.25: D2.3@27.5,35 29.375,36.875 32.5,36.875 35.625,40 158.125,40 159.375,38.75 169.375,38.75 170.625,40 v1(197.5,40)
  Bottom Layer w0.25: X1.A11@197.5,33.75 v1(197.5,40)
NetD2_4: D2.4 D3.11 D11.1 X1.A19 | length 246.2
  Top Layer w0.25: v1(31.25,54.375) v1(43.75,54.375) v1(51.25,54.375) 70.625,54.375 71.258,55.008 133.117,55.008 133.75,54.375 v1(162.5,54.375) ; v1(162.5,41.25) 166.875,41.25 167.5,41.875 213.125,41.875 v1(215,40)
  Bottom Layer w0.25: D2.4@30,35 31.25,36.25 v1(31.25,54.375) ; v1(43.75,54.375) D11.1@43.75,60 ; D3.11@51.25,42.5 v1(51.25,54.375) ; v1(162.5,41.25) 162.5,53.75 ; v1(215,40) 216.8,38.2 X1.A19@216.8,29.7
NetD2_8: D2.8 D3.10 | length 17.3
  Top Layer w0.25: D2.8@37.5,42.5 38.75,41.25 52.5,41.25 D3.10@53.75,42.5
NetD2_10: D2.10 D11.4 | length 34.2
  Top Layer w0.25: v1(32.5,48.125) 36.25,51.875 49.375,51.875 v1(50,51.25)
  Bottom Layer w0.25: D2.10@32.5,42.5 v1(32.5,48.125) ; v1(50,51.25) 50,58.75 D11.4@51.25,60
NetD2_11: D2.11 D10.2 D10.4 D10.12 D15.2 D16.2 D17.2 D18.2 | length 268.9
  Top Layer w0.25: D10.2@25,75 25,73.75 v1(27.5,71.25) 30,71.25 ; D10.4@30,75 30,71.25 ; D17.2@160,60 161.179,61.179 183.821,61.179 186.25,58.75 193.75,58.75 D16.2@195,60 ; v1(160,72.5) 106.25,72.5 105.625,71.875 43.125,71.875 42.5,71.25 30,71.25 ; D18.2@160,75 161.179,76.179 193.821,76.179 D15.2@195,75
  Bottom Layer w0.25: D10.2@25,75 25,78.125 27.5,80.625 D10.12@27.5,82.5 ; v1(27.5,71.25) 28.75,70 28.75,55 30,53.75 D2.11@30,42.5 ; D17.2@160,60 160,64.375 158.75,65.625 158.75,71.25 v1(160,72.5) D18.2@160,75
NetD2_12: D2.12 D10.11 D12.12 D22.15 D23.15 D24.15 D25.15 D26.15 D27.15 D28.15 D29.15 | length 284.3
  Top Layer w0.25: v1(26.25,77.5) 29.818,81.068 29.818,82.318 D10.11@30,82.5 ; v1(31.25,93.75) 31.421,93.75 32.671,92.5 113.75,92.5 114.375,93.125 v1(119.375,93.125) ; D29.15@133.744,113.118 135,114.375 143.75,114.375 143.75,114.361 D28.15@144.994,113.117 ; D28.15@144.994,113.118 146.25,114.375 155,114.375 155,114.361 D27.15@156.244,113.117 ; D27.15@156.244,113.118 157.5,114.375 166.25,114.375 166.25,114.361 D26.15@167.494,113.117 ; D26.15@167.494,113.118 168.75,114.375 177.5,114.375 178.125,113.736 D25.15@178.744,113.117 ; D25.15@178.744,113.118 180,114.375 188.75,114.375 188.75,114.361 D24.15@189.994,113.117 ; D24.15@189.994,113.118 191.25,114.375 200,114.375 200.625,113.736 D23.15@201.244,113.117 ; D23.15@201.244,113.118 202.5,114.375 211.25,114.375 211.875,113.736 212.494,113.117 214.993,113.117 215,113.125 216.25,111.875 225,111.875 D12.12@226.25,110.625
  Bottom Layer w0.25: v1(26.25,77.5) 26.25,55 27.5,53.75 D2.12@27.5,42.5 ; D10.11@30,82.5 30,85 31.25,86.25 v1(31.25,93.75) ; v1(119.375,93.125) 133.604,93.125 133.75,93.271 133.75,96.729 133.604,96.875 131.438,96.875 130,98.313 130,112.79 130.335,113.125 133.736,113.125 D29.15@133.744,113.117
NetD3_1: D3.1 X1.A15 | length 173.6
  Top Layer w0.25: D3.1@43.75,35 47.5,38.75 158.125,38.75 159.375,37.5 170.625,37.5 170.771,37.5 172.646,39.375 193.75,39.375 194.375,38.75 206.25,38.75 v1(207.5,40)
  Bottom Layer w0.25: X1.A15@207.5,33.75 v1(207.5,40)
NetD3_2: D3.2 D10.6 D43.5 | length 134.1
  Top Layer w0.25: D10.6@35,75 37.5,77.5 v1(41.25,77.5) ; v1(48.75,30) v1(120,30)
  Bottom Layer w0.25: v1(41.25,77.5) 41.25,40 46.325,34.925 46.325,32.425 v1(48.75,30) ; v1(120,30) D43.5@120,35
NetD3_3: D3.3 X1.A17 | length 175.6
  Top Layer w0.25: D3.3@48.75,35 51.25,37.5 v1(157.5,37.5) ; v1(158.75,41.25) 160,40 168.125,40 169.375,41.25 211.25,41.25 v1(212.5,40)
  Bottom Layer w0.25: v1(157.5,37.5) 158.125,38.125 158.75,38.75 v1(158.75,41.25) ; X1.A17@212.5,33.75 v1(212.5,40)
NetD3_4: D3.4 D10.9 | length 100.5
  Top Layer w0.25: v1(20.425,83.68) 20.495,83.75 33.75,83.75 D10.9@35,82.5 ; v1(20.625,32.5) 48.75,32.5 D3.4@51.25,35
  Bottom Layer w0.25: v1(20.425,83.68) 20.325,83.58 20.325,70.261 20,69.936 20,56.875 23.125,53.75 23.125,46.25 20.625,43.75 v1(20.625,32.5)
NetD3_5: D3.5 D6.13 D19.9 | length 138.8
  Top Layer w0.25: v1(52.5,47.5) v1(60,47.5) v1(116.25,47.5) ; D19.9@56.25,82.5 57.5,81.25 60,81.25 v1(61.25,82.5)
  Bottom Layer w0.25: v1(52.5,47.5) 52.5,36.25 D3.5@53.75,35 ; v1(60,47.5) 60,81.25 v1(61.25,82.5) ; v1(116.25,47.5) 116.25,61.25 117.5,62.5 D6.13@117.5,67.5
NetD3_6: D3.6 D13.1 D13.4 | length 112.9
  Top Layer w0.25: v1(55,56.875) 55.625,56.25 110,56.25 111.875,58.75 115.625,58.75 133.75,58.75 ; D13.4@141.25,60 141.25,59.375 140.625,58.75 133.75,58.75 ; 133.75,58.75 D13.1@133.75,60 133.75,58.75
  Bottom Layer w0.25: 55,56.25 55,36.25 D3.6@56.25,35
NetD3_8: D3.8 D7.9 D8.9 | length 111.5
  Top Layer w0.25: v1(65,85) 65.746,84.254 101.996,84.254 D8.9@103.75,82.5 105,83.75 126.25,83.75 D7.9@127.5,82.5
  Bottom Layer w0.25: D3.8@58.75,42.5 61.875,42.5 63.018,43.643 63.018,83.018 v1(65,85)
NetD3_9: D3.9 D8.15 | length 74.6
  Top Layer w0.25: D3.9@56.25,42.5 57.5,43.75 v1(61.25,43.75) ; v1(62.5,85) 63.125,84.375 63.75,83.75 87.5,83.75 D8.15@88.75,82.5
  Bottom Layer w0.25: v1(61.25,43.75) 62.398,44.898 62.398,84.898 v1(62.5,85)
NetD3_12: D3.12 D5.2 D6.2 D7.2 D8.2 | length 113.8
  Top Layer w0.25: v1(48.75,48.75) v1(86.875,48.75) ; D8.2@88.75,75 90,76.25 91.875,76.25 92.5,76.875 101.643,76.875 102.268,76.25 111.25,76.25 D7.2@112.5,75
  Bottom Layer w0.25: D3.12@48.75,42.5 v1(48.75,48.75) ; v1(86.875,48.75) 88.75,50.625 D5.2@88.75,60 87.5,61.25 87.5,73.75 D8.2@88.75,75 ; D6.2@112.5,60 112.5,65.625 113.75,66.875 113.75,71.729 112.5,72.979 D7.2@112.5,75
NetD4_11: D4.11 D12.11 | length 48.1
  Top Layer w0.25: v1(208.75,128.125) 210,129.375 v1(225,129.375)
  Bottom Layer w0.25: D4.11@206.25,135.625 208.75,133.125 v1(208.75,128.125) ; v1(225,129.375) 226.25,128.125 226.25,121.729 225,120.479 225,109.375 D12.11@226.25,108.125
NetD5_9: D5.9 D6.9 D6.12 | length 26
  Top Layer w0.25: D5.9@103.75,67.5 106.875,67.5 108.125,68.75 120,68.75 ; D6.12@120,67.5 120,68.75 ; D6.9@127.5,67.5 126.25,68.75 120,68.75
NetD5_12: D5.12 D11.9 D11.10 D15.12 | length 258.4
  Top Layer w0.25: D11.10@53.75,67.5 D11.9@56.25,67.5 ; v1(57.5,51.25) 63.125,51.25 63.75,50.625 96.875,50.625 v1(97.5,51.25) 122.5,51.25 122.5,50 153.75,50 156.875,46.875 v1(215,46.875) ; D15.12@202.5,82.5 203.75,81.25 206.875,81.25 208.125,80 v1(223.75,80)
  Bottom Layer w0.25: D11.9@56.25,67.5 56.25,63.125 57.5,61.875 v1(57.5,51.25) ; D5.12@96.25,67.5 96.25,63.125 97.5,61.875 v1(97.5,51.25) ; v1(215,46.875) 215,49.375 220.625,55 223.75,55 224.825,56.075 224.825,78.925 v1(223.75,80)
NetD5_13: D5.13 D17.12 | length 74.8
  Top Layer w0.25: D5.13@93.75,67.5 95,66.25 166.25,66.25 D17.12@167.5,67.5
NetD5_14: D5.14 D16.4 | length 144.4
  Top Layer w0.25: v1(91.25,49.375) 91.875,49.375 92.5,50 121.25,50 121.25,48.75 153.364,48.75 156.489,45.625 v1(198.75,45.625)
  Bottom Layer w0.25: v1(91.25,49.375) 90,50.625 90,66.25 D5.14@91.25,67.5 ; v1(198.75,45.625) 198.75,55.146 200,56.396 D16.4@200,60
NetD5_15: D5.15 D6.7 D6.10 | length 45.8
  Top Layer w0.25: D5.15@88.75,67.5 90,68.75 106.25,68.75 107.5,70 v1(121.25,70)
  Bottom Layer w0.25: v1(121.25,70) 122.5,70 D6.10@125,67.5 D6.7@125,60
NetD6_6: D6.6 D6.11 D14.3 D35.8 | length 233.8
  Top Layer w0.25: v1(118.75,77.5) 136.115,77.5 138.615,75 D14.3@138.75,75 ; v1(125,51.25) 154.375,51.25 157.703,47.922 216.453,47.922 v1(217.5,46.875)
  Bottom Layer w0.25: v1(118.75,77.5) 118.75,66.875 120,65.625 122.5,65.625 ; D6.11@122.5,67.5 122.5,65.625 ; v1(125,51.25) 125,57.5 D6.6@122.5,60 122.5,65.625 ; v1(217.5,46.875) 217.627,47.002 217.627,50.127 221.25,53.75 224.375,53.75 225.712,55.087 225.712,85.087 226.25,85.625 226.25,98.125 225,99.375 225,103.75 225.625,104.375 226.875,104.375 228.125,105.625 228.125,119.229 230,121.104 D35.8@230,124.375
NetD6_15: D6.15 D7.5 D7.7 D7.10 | length 33.8
  Top Layer w0.25: v1(116.25,77.5) 117.365,77.5 119.865,75 D7.5@120,75 121.25,76.25 123.75,76.25 D7.7@125,75
  Bottom Layer w0.25: D6.15@112.5,67.5 112.5,70.479 111.25,71.729 111.25,77.5 v1(116.25,77.5) ; D7.7@125,75 D7.10@125,82.5
NetD7_11: D7.11 D16.12 | length 92.1
  Top Layer w0.25: v1(123.75,71.25) 198.75,71.25 D16.12@202.5,67.5
  Bottom Layer w0.25: D7.11@122.5,82.5 123.75,81.25 v1(123.75,71.25)
NetD7_12: D7.12 D15.4 D19.3 | length 175
  Top Layer w0.25: v1(51.25,85) 52.5,86.25 67.5,86.25 68.75,85 v1(120,85) 120.07,84.93 130.588,84.93 v1(130.657,84.861) ; v1(130.646,73.738) 198.738,73.738 D15.4@200,75
  Bottom Layer w0.25: D19.3@48.75,75 50,76.25 50,83.75 v1(51.25,85) ; D7.12@120,82.5 v1(120,85) ; v1(130.646,73.738) 130.646,84.85 v1(130.657,84.861)
NetD7_13: D7.13 D14.13 D19.2 D35.6 D47.6 | length 258.8
  Top Layer w0.25: v1(47.5,90) v1(67.5,90) 68.75,91.25 117.5,91.25 117.5,91.247 v1@117.648,91.098 ; v1(117.5,90.95) v1@117.648,91.098 ; v1(210,89.375) 209.743,89.375 209.432,89.064 154.061,89.064 152.507,90.618 146.882,90.618 146.295,91.205 141.976,91.205 141.597,90.826 141.131,90.826 140.733,91.224 118.031,91.224 117.905,91.098 v1@117.648,91.098 ; v1(213.75,121.875) 223.125,121.875 224.742,123.492 224.742,124.117 D35.6@225,124.375
  Bottom Layer w0.25: D19.2@46.25,75 47.5,76.25 v1(47.5,90) ; D47.6@66.25,103.125 67.5,101.875 v1(67.5,90) ; D7.13@117.5,82.5 v1(117.5,90.95) ; D14.13@141.25,82.5 141.302,82.552 141.302,90.774 v1(141.355,90.826) ; v1(210,89.375) 210,105.625 208.75,106.875 208.75,117.5 212.998,121.748 213.623,121.748 v1(213.75,121.875)
NetD7_14: D7.14 D14.6 D35.7 | length 180.2
  Top Layer w0.25: v1(115.09,90.157) 115.347,90.157 115.609,89.896 144.514,89.896 144.79,90.172 v1(145.047,90.172) 145.219,90 151.875,90 153.425,88.45 214.571,88.45 215.496,89.375 v1(215.625,89.375) ; v1(218.75,128.125) v1(227.5,128.125)
  Bottom Layer w0.25: D7.14@115,82.5 115.045,82.545 115.045,90.112 v1(115.09,90.157) ; v1(145.047,90.172) 145,90.125 145,76.25 D14.6@146.25,75 ; v1(215.625,89.375) 216.551,90.301 216.551,113.426 217.5,114.375 219.854,114.375 220,114.521 220,121.875 218.75,123.125 v1(218.75,128.125) ; D35.7@227.5,124.375 v1(227.5,128.125)
NetD7_15: D7.15 D8.4 D8.5 D8.7 D8.10 | length 29.4
  Top Layer w0.25: D8.4@93.75,75 94.929,76.179 96.25,76.179 ; D8.5@96.25,75 96.25,76.179 ; D8.7@101.25,75 100.071,76.179 96.25,76.179 ; D8.10@101.25,82.5 102.5,81.25 111.25,81.25 D7.15@112.5,82.5
  Bottom Layer w0.25: D8.7@101.25,75 D8.10@101.25,82.5
NetD8_11: D8.11 D19.6 | length 47.8
  Top Layer w0.25: v1(56.25,78.75) 56.379,78.75 57.004,79.375 80.625,79.375 82.5,81.25 97.5,81.25 D8.11@98.75,82.5
  Bottom Layer w0.25: D19.6@56.25,75 v1(56.25,78.75)
NetD8_14: D8.14 D17.6 D19.5 D20.2 | length 141.6
  Top Layer w0.25: D19.5@53.75,75 55,76.25 57.5,76.25 58.75,77.5 v1(67.5,77.5) v1(91.25,77.5) ; v1(92.5,62.5) v1(170,62.5)
  Bottom Layer w0.25: D20.2@67.5,75 v1(67.5,77.5) ; D8.14@91.25,82.5 v1(91.25,77.5) 92.5,76.25 v1(92.5,62.5) ; D17.6@170,60 v1(170,62.5)
NetD9_14: D9.14 D18.12 D18.13 | length 77.6
  Top Layer w0.25: v1(137.5,85) 145.625,85 146.875,83.75 163.75,83.75 D18.13@165,82.5 D18.12@167.5,82.5
  Bottom Layer w0.25: v1(137.5,85) 137.5,46.25 139.854,43.896 142.354,43.896 D9.14@143.75,42.5
NetD10_13: D10.13 D22.4 D23.4 D24.4 D25.4 D26.4 D27.4 D28.4 D29.4 D30.9 D31.9 | length 290.1
  Top Layer w0.25: v1(23.75,121.875) 38.75,121.875 42.5,125.625 53.125,125.625 54.375,124.375 63.125,124.375 64.375,125.625 84.375,125.625 85.625,124.375 v1(125,124.375) ; D29.4@126.244,108.117 126.258,108.117 128.75,108.125 130,106.875 135,106.875 136.25,108.125 137.494,108.117 137.507,108.117 140,108.125 141.25,106.875 146.25,106.875 147.5,108.125 148.743,108.117 148.758,108.117 151.25,108.125 152.5,106.875 157.5,106.875 158.75,108.125 159.994,108.117 160.008,108.117 162.5,108.125 163.75,106.875 168.75,106.875 170,108.125 171.244,108.117 171.258,108.117 173.75,108.125 175,106.875 v1(176.25,106.875) 180,106.875 181.25,108.125 182.494,108.117 182.508,108.117 185,108.125 186.25,106.875 191.25,106.875 192.5,108.125 193.744,108.117 193.758,108.117 196.25,108.125 197.5,106.875 202.5,106.875 203.75,108.125 D22.4@204.994,108.117
  Bottom Layer w0.25: v1(23.75,121.875) 23.75,107.5 25,106.25 D10.13@25,82.5 ; D31.9@121.382,98.125 124.375,101.118 124.375,106.25 126.242,108.117 123.125,111.236 123.125,117.5 125,119.375 v1(125,124.375) ; v1(176.25,106.875) 176.25,123.125 175.896,123.479 175.896,125.407 176.179,125.69 176.179,134.304 D30.9@177.5,135.625